# Altium PCB P1.1-worcv.PcbDoc (part 2 of 2) (continued)
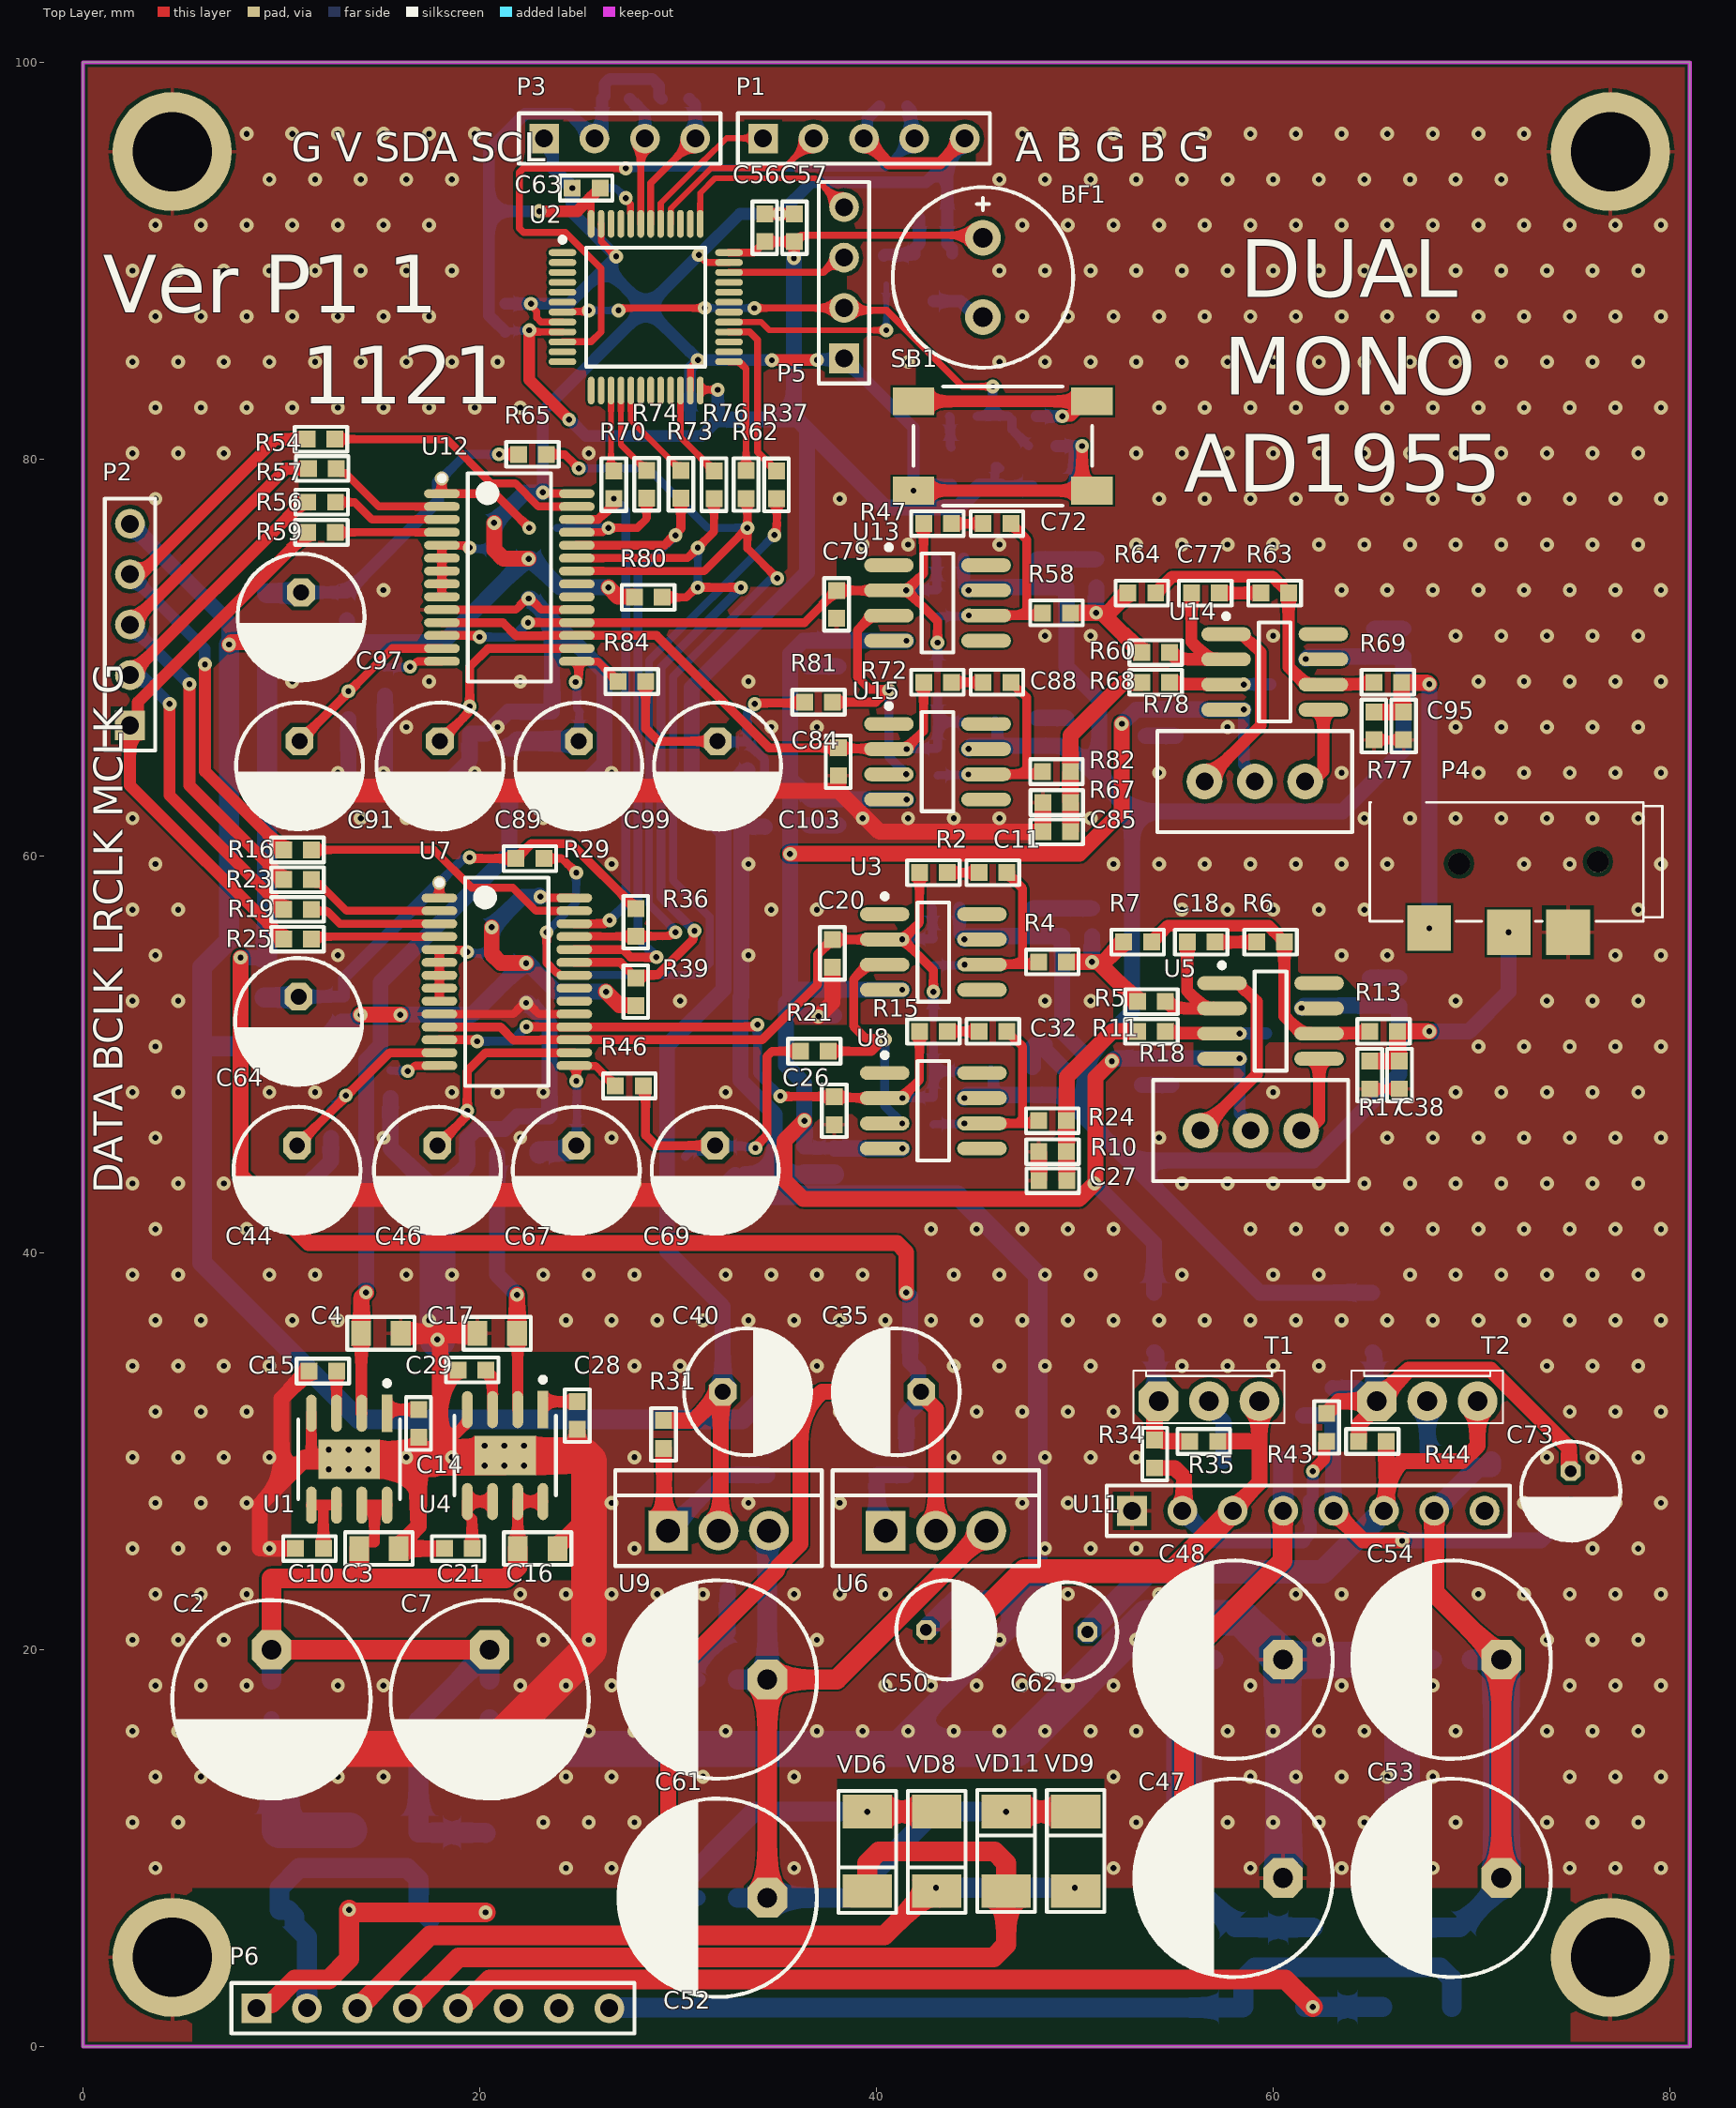
[diagram p0: Top Layer view]
## Nets (pads, with @x,y where several pads share a name; then routed paths per layer and width w, separated by ;. In a path a pad name is that pad's centre, name@x,y a point inside that pad or via, vN(x,y) a via of type N, cw(c..) or ccw(c..) an arc to the next point about the centre after c; other vN are vias at no path point) (continued)
ENC_A: P1.1 U2.41 | length 7.5
  Top Layer w0.3: U2.41@29.119,91.863 29.119,92.892 31.29,95.063 31.324,95.063 32.44,96.178 P1.1@34.274,96.178
ENC_B: P1.2 U2.40 | length 9.4
  Top Layer w0.3: U2.40@29.619,91.863 29.626,91.87 29.626,92.626 31.663,94.663 35.329,94.663 P1.2@36.829,96.163
ENTER: C5.1 P1.4 U2.10 | length 35.5
  Top Layer w0.35: U2.10@24.169,85.913 25.619,85.913 26.125,86.419 26.125,89.616 24.312,91.428 22.205,91.428 22,91.634 22,94.458 22.205,94.663 v1(27.369,94.663)
  Bottom Layer w0.35: v1(27.369,94.663) 40.409,94.663 P1.4@41.909,96.163
  Bottom Layer w0.6: C5.1@41.547,97.785 41.737,97.595 41.737,96.335 P1.4@41.909,96.163
INPHL: C79.1 C82.2 R41.1 R47.1 R48.2 U12.12 U12.18 U13.2 | length 35.1
  Top Layer w0.45: U12.12@18.094,71.113 19.851,71.113 19.926,71.038 v1(19.994,71.038) ; v1(22.434,71.768) 22.439,71.763 36.371,71.763 37.977,73.369 37.977,73.394 C79.1@37.99,73.381 37.993,73.385 40.624,73.385 U13.2@40.628,73.389 ; v1(41.508,73.394) U13.2@41.522,73.394 ; R47.1@42.378,76.754 42.378,74.239 41.533,73.394 U13.2@41.522,73.394 ; v1(43.078,70.754) 43.078,71.839 U13.2@41.522,73.394
  Bottom Layer w0.45: v1(19.994,71.038) 21.704,71.038 v1(22.434,71.768) ; v1(41.508,73.394) 41.538,73.424 43.048,73.424 R41.1@43.078,73.454 43.035,73.497 43.035,74.945 R48.2@42.991,74.989 ; C82.2@43.078,69.454 v1(43.078,70.754)
INPHR: C20.1 C24.2 R1.1 R2.1 R3.2 U3.2 U7.11 U7.17 | length 37.2
  Top Layer w0.45: U7.11@17.969,51.388 21.044,51.388 21.714,50.718 23.071,50.718 23.091,50.738 34.238,50.738 37.031,53.531 37.031,55.041 C20.1@37.781,55.791 37.784,55.794 40.415,55.794 U3.2@40.419,55.798 ; v1(41.299,55.803) U3.2@41.313,55.803 ; R2.1@42.169,59.163 42.169,56.648 41.324,55.803 U3.2@41.313,55.803 ; v1(42.869,53.163) 42.869,54.248 U3.2@41.313,55.803
  Bottom Layer w0.45: v1(41.299,55.803) 41.329,55.833 42.839,55.833 R1.1@42.869,55.863 42.825,55.906 42.825,57.355 R3.2@42.782,57.398 ; C24.2@42.869,51.863 v1(42.869,53.163)
INPLL: C82.1 C84.1 R66.1 R71.2 R72.1 U12.11 U12.17 U15.2 | length 34.6
  Top Layer w0.45: U12.11@18.094,71.763 21.169,71.763 21.839,71.093 23.196,71.093 23.216,71.113 28.919,71.113 34.578,65.454 C84.1@38.078,65.454 38.11,65.421 40.595,65.421 U15.2@40.628,65.389 ; v1(41.517,65.391) 41.517,65.445 42.378,66.306 R72.1@42.378,68.754
  Bottom Layer w0.45: v1(41.517,65.391) 41.548,65.423 43.047,65.423 R66.1@43.078,65.454 43.078,66.754 ; C82.1@43.078,68.054 43.078,66.754 ; R71.2@44.578,66.754 43.078,66.754
INPLR: C24.1 C26.1 R9.1 R14.2 R15.1 U7.12 U7.18 U8.2 | length 35.2
  Top Layer w0.45: U7.12@17.969,50.738 19.726,50.738 19.801,50.663 v1(19.869,50.663) ; v1(22.349,51.393) 22.353,51.388 33.82,51.388 33.932,51.5 v1(34,51.5) ; v1(35.155,47.9) 35.173,47.882 37.85,47.882 37.901,47.83 40.386,47.83 U8.2@40.419,47.798 ; v1(41.308,47.801) 41.308,47.855 42.169,48.715 R15.1@42.169,51.163
  Bottom Layer w0.45: v1(19.869,50.663) 21.619,50.663 v1(22.349,51.393) ; v1(34,51.5) 34,49.055 v1(35.155,47.9) ; v1(41.308,47.801) 41.339,47.832 42.838,47.832 R9.1@42.869,47.863 42.869,49.163 ; C24.1@42.869,50.463 42.869,49.163 ; R14.2@44.369,49.163 42.869,49.163
LRCLK: P2.3 R23.1 R57.1 | length 28.3
  Top Layer w0.6: P2.3@2.369,71.663 10.238,79.532 R57.1@11.362,79.532 ; v1(5.369,68.663) 5.369,63.555 R23.1@10.113,58.811
  Bottom Layer w0.6: P2.3@2.369,71.663 v1(5.369,68.663)
MCLK: P2.4 R16.1 R54.1 | length 28.9
  Top Layer w0.6: P2.4@2.369,74.203 2.541,74.375 3.081,74.375 9.713,81.007 R54.1@11.301,81.007 ; v1(6.15,69.663) 6.15,64.274 R16.1@10.113,60.311
  Bottom Layer w0.6: P2.4@2.369,74.203 6.131,70.441 6.131,69.682 v1(6.15,69.663)
MUTE: R62.2 U2.25 | length 6.1
  Top Layer w0.35: U2.25@32.569,84.913 33.069,84.913 33.429,84.553 R62.2@33.429,79.421
MUTEU: R29.1 R62.1 R65.1 U7.22 U12.22 | length 67.4
  Top Layer w0.4: R29.1@23.232,59.871 24.16,59.871 v1(24.869,59.163) ; R65.1@23.357,80.246 24.285,80.246 v1(24.994,79.538) ; v1(23.369,56.163) 23.369,54.62 23.876,54.113 23.955,54.113 24.08,53.988 U7.22@24.769,53.988 ; U12.22@24.894,74.363 31.319,74.363 v1(33.494,76.538) ; R62.1@33.429,78.021 33.494,77.956 v1(33.494,76.538) ; v1(35,74) 33.494,75.506 v1(33.494,76.538)
  Bottom Layer w0.4: v1(24.869,59.163) 24.869,57.663 v1(23.369,56.163) 23.369,54.631 24,54 31,54 31.592,54.592 31.592,56.94 29.755,58.777 29.755,69.049 32.509,71.803 34.649,73.943 34.943,73.943 v1(35,74) ; v1(24.994,79.538) 28.494,79.538 31.494,76.538 v1(33.494,76.538)
NetBF1_2: BF1.2 VT1.3 | length 2.8
  Bottom Layer w0.6: VT1.3@42.869,87.963 44.244,87.963 45.044,87.163 BF1.2@45.369,87.163
NetC10_1: C10.1 U1.5 U1.6 | length 3.5
  Top Layer w0.55: U1.5@11.513,27.285 12.148,27.285 ; C10.1@12.118,25.102 12.118,27.255 12.148,27.285 ; U1.6@12.783,27.285 12.148,27.285
NetC11_1: C11.1 R1.2 R4.1 U3.6 | length 9.6
  Top Layer w0.45: U3.6@45.319,54.528 45.329,54.538 47.105,54.538 ; C11.1@46.569,59.163 47.369,58.363 47.369,54.801 47.105,54.538 ; R4.1@48.169,54.663 48.044,54.538 47.105,54.538
  Bottom Layer w0.4: R1.2@42.869,54.463 42.904,54.498 44.411,54.498 v1(44.446,54.533)
NetC11_2: C11.2 R2.2 | length 1.6
  Top Layer w0.45: R2.2@43.569,59.163 C11.2@45.169,59.163
NetC14_1: C14.1 U1.1 | length 1.8
  Top Layer w0.55: U1.1@15.323,31.918 15.323,32.098 15.327,32.102 C14.1@16.918,32.102
NetC15_1: C15.1 U1.3 | length 2
  Top Layer w0.55: U1.3@12.783,31.918 C15.1@12.783,33.937
NetC18_1: C18.1 R5.1 U5.2 | length 6.7
  Top Layer w0.6: R5.1@54.569,52.663 54.909,52.323 U5.2@56.545,52.323 ; C18.1@55.669,55.663 55.669,53.199 U5.2@56.545,52.323 ; U5.2@57.418,52.323 U5.2@56.545,52.323
NetC18_2: C18.2 R6.2 | length 2.1
  Top Layer w0.6: C18.2@57.069,55.663 R6.2@59.169,55.663
NetC19_1: C19.1 R4.2 R5.2 R7.1 | length 7.4
  Top Layer w0.8: R4.2@49.569,54.663 v1(50.869,54.663) v1@51.169,54.663 ; R7.1@52.469,55.663 51.469,54.663 v1@51.169,54.663 ; R5.2@53.169,52.663 v1@51.169,54.663
  Bottom Layer w0.8: v1(50.869,54.663) C19.1@50.869,55.963
NetC21_1: C21.1 U4.5 U4.6 | length 3.7
  Top Layer w0.55: C21.1@19.618,25.102 19.618,26.571 19.378,26.811 U4.5@19.378,27.469 U4.6@20.648,27.469
NetC25_2: C25.2 R11.2 U5.3 | length 4.2
  Top Layer w0.6: R11.2@54.569,51.163 54.66,51.072 57.399,51.072 U5.3@57.418,51.053
  Bottom Layer w0.6: v1(58.308,51.054) 58.315,51.061 59.639,51.061 C25.2@59.645,51.068
NetC27_2: C27.2 R10.1 R11.1 R24.2 | length 9.8
  Top Layer w0.8: C27.2@49.591,43.637 49.586,43.642 49.586,45.095 49.575,45.106 49.575,46.657 R24.2@49.569,46.663 49.594,46.688 49.594,48.875 51.881,51.163 R11.1@53.169,51.163
NetC28_1: C28.1 U4.1 | length 2.1
  Top Layer w0.55: U4.1@23.188,32.102 23.188,32.498 23.192,32.502 C28.1@24.918,32.502
NetC29_1: C29.1 U4.3 | length 2.1
  Top Layer w0.55: C29.1@20.318,34.102 20.648,33.772 U4.3@20.648,32.102
NetC32_1: C32.1 R9.2 R24.1 U8.6 | length 9.6
  Top Layer w0.45: U8.6@45.319,46.528 47.105,46.528 ; C32.1@46.569,51.163 47.069,50.663 47.105,50.663 47.369,50.399 47.369,46.791 47.105,46.528 ; R24.1@48.169,46.663 48.034,46.528 47.105,46.528
  Bottom Layer w0.4: R9.2@42.869,46.463 42.9,46.494 44.394,46.494 v1(44.425,46.525)
NetC32_2: C32.2 R15.2 | length 1.6
  Top Layer w0.45: R15.2@43.569,51.163 C32.2@45.169,51.163
NetC34_2: C34.2 C39.2 C51.1 C52.1 C60.1 C61.1 U6.3 U9.3 VD9.2 VD11.2 | length 53.4
  Top Layer w1: C52.1@34.524,7.5 C52.1@34.5,7.5 C61.1@34.5,18.5 38,18.5 U6.3@45.5,26 ; VD11.2@46.138,11.838 v1(46.538,11.838) VD9.2@50.038,11.838
  Bottom Layer w1: C34.2@33,7.5 C52.1@34.5,7.5 38.6,7.5 42.938,11.838 v1(46.538,11.838) ; C39.2@33,18.5 C61.1@34.5,18.5 34.5,20.875 C60.1@34.5,21 34.5,22.875 C51.1@34.5,23 34.5,25.92 U9.3@34.58,26
NetC43_1: C43.1 C44.1 U7.13 | length 10.2
  Top Layer w0.45: C44.1@10.793,45.416 15.465,50.088 U7.13@17.969,50.088
  Bottom Layer w0.45: C43.1@12.5,47.2 13.234,47.934 v1(13.255,47.934)
NetC45_1: C45.1 C46.1 U7.16 | length 10.2
  Top Layer w0.45: C46.1@17.869,45.413 19.321,46.865 19.321,47.115 v1(19.369,47.163) 19.369,49.163 20.294,50.088 U7.16@24.769,50.088
NetC50_2: C50.2 R35.2 T1.3 U11.3 | length 24.3
  Top Layer w0.8: R35.2@57.2,30.5 59.272,30.5 59.304,30.468 ; U11.3@57.96,27 57.96,27.069 59.304,28.413 59.304,30.468 ; T1.3@59.304,32.522 59.304,30.468
  Top Layer w1.2: C50.2@44.5,21 47.452,23.952 54.912,23.952 U11.3@57.96,27
  Bottom Layer w1: U11.3@57.864,27.096 U11.3@57.96,27
NetC62_1: C62.1 R44.1 T2.3 U11.6 | length 28.7
  Top Layer w0.8: U11.6@65.58,27 65.714,27.134 65.714,28.714 ; R44.1@65.7,30.5 65.7,28.728 65.714,28.714 ; T2.3@70.315,32.511 T2.3@70.304,32.522 70.304,30.273 69.531,29.5 66.5,29.5 65.714,28.714
  Bottom Layer w1.2: C62.1@50.636,20.9 53.661,23.925 62.505,23.925 U11.6@65.58,27 U11.6@65.714,27.134
NetC66_1: C66.1 C67.1 L2.1 R46.1 U7.15 | length 8.7
  Top Layer w0.4: U7.15@24.769,49.438 24.778,49.428 U7.15@24.855,49.428 ; v1(24.869,48.663) 24.869,49.415 U7.15@24.855,49.428 ; R46.1@26.842,48.419 25.832,49.428 U7.15@24.855,49.428
  Bottom Layer w0.4: C67.1@24.869,45.413 24.895,45.439 24.895,46.875 C66.1@24.922,46.902 24.895,46.929 24.895,48.636 v1(24.869,48.663)
  Bottom Layer w1: L2.1@23,45 23,45.125 24.524,45.125 24.812,45.413 C67.1@24.869,45.413
NetC72_1: C72.1 R41.2 R58.1 U13.6 | length 9.6
  Top Layer w0.45: U13.6@45.528,72.119 45.538,72.129 47.314,72.129 ; C72.1@46.778,76.754 47.578,75.954 47.578,72.392 47.314,72.129 ; R58.1@48.378,72.254 48.253,72.129 47.314,72.129
  Bottom Layer w0.4: R41.2@43.078,72.054 43.113,72.089 44.62,72.089 v1(44.655,72.124)
NetC72_2: C72.2 R47.2 | length 1.6
  Top Layer w0.45: R47.2@43.778,76.754 C72.2@45.378,76.754
NetC73_1: C73.1 R43.2 R44.2 R45.2 R49.2 T2.1 | length 23.5
  Top Layer w0.8: R43.2@62.691,31.908 63.306,32.522 T2.1@65.224,32.522 ; R44.2@64.3,30.5 64.325,30.525 64.325,31.357 65.224,32.257 T2.1@65.224,32.522 ; C73.1@75,29 74.916,29.084 74.916,30.174 70.967,34.122 66.824,34.122 T2.1@65.224,32.522
  Bottom Layer w0.8: R45.2@63,33.2 63.025,33.175 64.306,33.175 64.959,32.522 T2.1@65.224,32.522 65.112,32.635 65.112,34.9 65.012,35 R49.2@65,35
NetC73_2: C73.2 R40.2 R45.1 U11.5 | length 19.6
  Top Layer w0.8: U11.5@63.04,27 64.54,25.5 v1(66.5,25.5)
  Bottom Layer w0.8: R40.2@61.5,31.8 R45.1@63,31.8 63.02,31.78 63.02,27.02 U11.5@63.04,27 U11.5@63.098,27 ; v1(66.5,25.5) 73.5,25.5 C73.2@75,27
NetC77_1: C77.1 R60.1 U14.2 | length 6.7
  Top Layer w0.6: R60.1@54.778,70.254 55.118,69.914 U14.2@56.754,69.914 ; C77.1@55.878,73.254 55.878,70.79 U14.2@56.754,69.914 ; U14.2@57.627,69.914 U14.2@56.754,69.914
NetC77_2: C77.2 R63.2 | length 2.1
  Top Layer w0.6: C77.2@57.278,73.254 R63.2@59.378,73.254
NetC78_1: C78.1 R58.2 R60.2 R64.1 | length 7.4
  Top Layer w0.8: R58.2@49.778,72.254 v1(51.078,72.254) v1@51.378,72.254 ; R64.1@52.678,73.254 51.678,72.254 v1@51.378,72.254 ; R60.2@53.378,70.254 v1@51.378,72.254
  Bottom Layer w0.8: v1(51.078,72.254) C78.1@51.078,73.554
NetC83_2: C83.2 R68.2 U14.3 | length 4.2
  Top Layer w0.6: R68.2@54.778,68.754 54.869,68.663 57.608,68.663 U14.3@57.627,68.644
  Bottom Layer w0.6: v1(58.517,68.645) 58.524,68.652 59.848,68.652 C83.2@59.854,68.659
NetC85_2: C85.2 R67.1 R68.1 R82.2 | length 9.6
  Top Layer w0.8: C85.2@49.79,61.22 R67.1@49.79,62.691 ; R67.1@49.79,62.691 49.784,62.697 49.784,64.248 R82.2@49.778,64.254 49.778,66.072 52.435,68.729 53.353,68.729 R68.1@53.378,68.754
NetC88_1: C88.1 R66.2 R82.1 U15.6 | length 9.6
  Top Layer w0.45: U15.6@45.528,64.119 47.314,64.119 ; C88.1@46.778,68.754 47.278,68.254 47.314,68.254 47.578,67.99 47.578,64.382 47.314,64.119 ; R82.1@48.378,64.254 48.243,64.119 47.314,64.119
  Bottom Layer w0.4: R66.2@43.078,64.054 43.109,64.085 44.603,64.085 v1(44.634,64.116)
NetC88_2: C88.2 R72.2 | length 1.6
  Top Layer w0.45: R72.2@43.778,68.754 C88.2@45.378,68.754
NetC89_1: C89.1 C92.1 U12.16 | length 10.2
  Top Layer w0.45: C89.1@17.994,65.788 19.446,67.24 19.446,67.49 v1(19.494,67.538) 19.494,69.538 20.419,70.463 U12.16@24.894,70.463
NetC90_1: C90.1 C91.1 U12.13 | length 9.1
  Top Layer w0.45: C91.1@10.918,65.791 15.59,70.463 U12.13@18.094,70.463
  other v1: 13.38,68.309
NetC98_1: C98.1 C99.1 L5.1 R84.1 U12.15 | length 10.3
  Top Layer w0.4: v1(24.839,68.771) 24.839,68.813 24.994,68.967 24.994,69.79 24.917,69.79 U12.15@24.894,69.813 ; U12.15@24.98,69.803 25.957,69.803 R84.1@26.967,68.794
  Bottom Layer w0.4: v1(24.839,68.771) 24.897,68.713 24.897,67.427 C98.1@25.047,67.277 25.02,67.25 25.02,65.814 C99.1@24.994,65.788
  Bottom Layer w1: L5.1@21.5,65.5 21.625,65.5 21.913,65.788 C99.1@24.994,65.788
NetIC1_2: IC1.2 R53.2 | length 1.6
  Bottom Layer w0.45: R53.2@43.669,82.163 43.719,82.113 43.719,80.663 IC1.2@43.769,80.613
NetP5_2: P5.2 R52.1 R53.1 R55.2 U2.7 | length 28
  Top Layer w0.35: U2.7@24.694,87.438 25.438,87.438 v1(25.5,87.5) ; v1(27,87.5) 27.095,87.5 27.215,87.621 v1(31.345,87.621) ; v1(33.85,87.612) 33.855,87.618 38.364,87.618 P5.2@38.369,87.623 38.492,87.5 40.5,87.5 44.337,83.663 v1(45.869,83.663) v1@45.869,83.757
  Bottom Layer w0.35: v1(25.5,87.5) v1(27,87.5) ; v1(31.345,87.621) 31.349,87.617 33.846,87.617 v1(33.85,87.612)
  Bottom Layer w0.45: R53.1@45.069,82.163 45.869,82.163 ; v1(45.869,83.663) 45.869,82.163 ; R55.2@47.669,80.663 46.832,81.499 46.832,81.999 R52.1@46.669,82.163 45.869,82.163
NetR6_1: R6.1 R7.2 R13.1 U5.6 | length 15.8
  Top Layer w0.6: R7.2@53.869,55.663 54.694,56.488 59.759,56.488 60.02,56.228 60.02,56.212 R6.1@60.569,55.663 60.569,51.929 61.445,51.053 U5.6@62.318,51.053 62.337,51.072 64.778,51.072 R13.1@64.869,51.163
NetR16_2: R16.2 U7.27 | length 14.5
  Top Layer w0.4: R16.2@11.513,60.311 17.689,60.311 19.587,58.413 21.664,58.413 22.839,57.238 U7.27@24.769,57.238
NetR18_1: R18.1 U5.1 | length 9.8
  Top Layer w0.6: R18.1@56.329,46.163 59.168,49.002 59.168,52.675 58.67,53.173 58.638,53.173 58.218,53.593 U5.1@57.418,53.593
NetR18_3: R18.3 U5.5 | length 4.1
  Top Layer w0.6: R18.3@61.79,45.951 61.79,46.172 62.318,46.699 U5.5@62.318,49.783
NetR19_2: R19.2 U7.3 | length 6.8
  Top Layer w0.4: R19.2@11.513,57.311 11.596,57.228 12.304,57.228 12.944,56.588 U7.3@17.969,56.588
NetR20_1: R20.1 R22.1 U6.1 | length 4.5
  Bottom Layer w0.8: U6.1@40.46,26 40.025,26.435 40.025,28.775 R22.1@40,28.8 R20.1@41.5,28.8
NetR21_2: R21.2 U3.3 U8.3 | length 13.8
  Top Layer w0.45: R21.2@37.569,50.163 39.756,50.163 40.356,50.762 v1(40.423,50.762) 40.375,50.81 39.46,50.81 38.844,51.426 38.844,53.785 39.586,54.528 U3.3@40.419,54.528
  Bottom Layer w0.45: v1(40.423,50.762) 40.423,47.403 v1(41.298,46.529)
NetR23_2: R23.2 U7.2 | length 7.1
  Top Layer w0.4: R23.2@11.513,58.811 11.738,58.586 11.946,58.586 13.294,57.238 U7.2@17.969,57.238
NetR25_2: R25.2 U7.4 | length 6.5
  Top Layer w0.4: R25.2@11.513,55.811 11.64,55.938 U7.4@17.969,55.938
NetR26_2: R26.2 R28.1 VT1.1 | length 3.5
  Bottom Layer w0.6: R26.2@40.369,90.263 40.419,90.313 41.919,90.313 VT1.1@41.919,90.363 41.919,90.613 42.169,90.863 R28.1@42.169,92.163
NetR27_2: R27.2 U7.5 U7.6 U7.7 U7.8 U7.9 | length 6
  Top Layer w0.4: U7.9@17.969,52.688 17.978,52.678 U7.9@18.001,52.678 ; U7.9@18.634,52.678 U7.9@18.001,52.678 ; v1(19.369,55.163) 19.288,55.163 19.172,55.278 17.978,55.278 U7.5@17.969,55.288 U7.6@17.969,54.638 U7.7@17.969,53.988 U7.8@17.969,53.338 17.969,52.711 U7.9@18.001,52.678
  Bottom Layer w0.4: v1(19.369,55.163) 19.426,55.105 20.51,55.105 R27.2@20.602,55.013
NetR30_2: R30.2 R34.1 R35.1 T1.1 | length 6.2
  Top Layer w0.8: T1.1@54.224,32.522 54,32.298 54,30.969 54.469,30.5 R35.1@55.8,30.5
  Bottom Layer w0.8: R30.2@54,35 54.012,35 54.112,34.9 54.112,32.635 T1.1@54.224,32.522
NetR31_1: R31.1 R32.1 U9.1 | length 10.4
  Top Layer w0.8: R31.1@29.271,30.153 29.296,30.128 29.296,26.204 U9.1@29.5,26
  Bottom Layer w0.8: U9.1@29.5,26 32.3,28.8 R32.1@34.5,28.8
NetR33_1: R33.1 T1.2 | length 3.3
  Bottom Layer w0.8: T1.2@56.764,32.522 56.764,32.235 57.5,31.499 R33.1@57.5,29.5
NetR34_2: R34.2 R43.1 U11.2 | length 15.7
  Top Layer w0.6: v1(62,29) 62,29.027 62.566,29.593 62.566,30.383 R43.1@62.691,30.508
  Top Layer w0.8: R34.2@54.027,29.162 55.031,29.162 55.5,28.693 55.5,27.08 U11.2@55.42,27
  Bottom Layer w0.6: 61.5,25.5 61.888,25.888 61.888,26.385 61.79,26.482 61.79,27.518 62,27.728 v1(62,29)
  Bottom Layer w0.8: U11.2@55.42,27 56.92,25.5 61.5,25.5
NetR36_2: R36.2 R37.2 U7.25 | length 30.3
  Top Layer w0.4: U7.25@24.769,55.938 24.778,55.947 27.853,55.947 R36.2@27.869,55.963 29.588,55.963 29.788,56.163 v1(29.869,56.163) ; v1(34.858,76.174) 34.858,76.255 34.978,76.376 34.978,77.987 R37.2@34.961,78.005
  Bottom Layer w0.4: v1(29.869,56.163) 29.869,56.244 28.535,57.578 28.535,69.851 v1(34.858,76.174)
NetR38_1: R38.1 U7.14 | length 2.6
  Top Layer w0.4: v1(16.369,49.163) 16.45,49.163 16.715,49.428 17.959,49.428 U7.14@17.969,49.438
  Bottom Layer w0.4: R38.1@15.5,49.2 15.519,49.181 16.35,49.181 v1(16.369,49.163)
NetR50_1: R50.1 T2.2 | length 3.1
  Bottom Layer w0.8: T2.2@67.764,32.522 67.764,30.036 68,29.8 R50.1@68,29.5
NetR51_1: R51.1 U2.44 | length 2.4
  Top Layer w0.35: v1(27.369,93.163) 27.369,93.068 27.594,92.843 U2.44@27.594,92.388
  Bottom Layer w0.35: R51.1@26.069,93.663 26.869,93.663 v1(27.369,93.163)
NetR52_2: R52.2 SB1.1 | length 11.8
  Top Layer w0.6: SB1.1@41.869,82.913 SB1.1@50.519,82.913 ; v1(49.369,82.163) 49.388,82.182 49.788,82.182 SB1.1@50.519,82.913 ; SB1.1@50.869,82.913 SB1.1@50.519,82.913
  Bottom Layer w0.6: R52.2@48.069,82.163 v1(49.369,82.163)
NetR54_2: R54.2 U12.27 | length 13.6
  Top Layer w0.4: R54.2@12.701,81.007 18.339,81.007 20.558,78.788 21.789,78.788 22.964,77.613 U12.27@24.894,77.613
NetR56_2: R56.2 U12.3 | length 5.7
  Top Layer w0.4: R56.2@12.732,77.836 13.695,77.836 14.569,76.963 U12.3@18.094,76.963
NetR57_2: R57.2 U12.2 | length 6.1
  Top Layer w0.4: R57.2@12.762,79.532 12.987,79.307 13.225,79.307 14.919,77.613 U12.2@18.094,77.613
NetR59_2: R59.2 U12.4 | length 5.4
  Top Layer w0.4: R59.2@12.718,76.313 14.864,76.313 U12.4@18.094,76.313
NetR61_2: R61.2 U12.5 U12.6 U12.7 U12.8 U12.9 | length 6
  Top Layer w0.4: U12.9@18.094,73.063 18.103,73.053 U12.9@18.126,73.053 ; U12.9@18.759,73.053 U12.9@18.126,73.053 ; v1(19.494,75.538) 19.413,75.538 19.297,75.653 18.103,75.653 U12.5@18.094,75.663 U12.6@18.094,75.013 U12.7@18.094,74.363 U12.8@18.094,73.713 18.094,73.086 U12.9@18.126,73.053
  Bottom Layer w0.4: v1(19.494,75.538) 19.551,75.48 20.635,75.48 R61.2@20.727,75.388
NetR63_1: R63.1 R64.2 R69.1 U14.6 | length 15.8
  Top Layer w0.6: R64.2@54.078,73.254 54.903,74.079 59.969,74.079 60.229,73.819 60.229,73.803 R63.1@60.778,73.254 60.778,69.52 61.654,68.644 U14.6@62.527,68.644 62.546,68.663 64.987,68.663 R69.1@65.078,68.754
NetR74_2: R74.2 R75.2 U12.25 | length 7.4
  Top Layer w0.4: U12.25@24.894,76.313 24.903,76.322 26.197,76.322 26.413,76.538 v1(26.494,76.538) 27.949,76.538 28.416,77.005 R74.2@28.416,78.037
  Bottom Layer w0.4: R75.2@23.894,76.538 v1(26.494,76.538)
NetR78_1: R78.1 U14.1 | length 9.8
  Top Layer w0.6: R78.1@56.538,63.754 59.377,66.593 59.377,70.266 58.879,70.764 58.847,70.764 58.427,71.184 U14.1@57.627,71.184
NetR78_3: R78.3 U14.5 | length 4.1
  Top Layer w0.6: R78.3@61.999,63.542 61.999,63.763 62.527,64.29 U14.5@62.527,67.374
NetR79_1: R79.1 U12.14 | length 3
  Top Layer w0.4: v1(16.494,69.538) 16.575,69.538 16.84,69.803 18.084,69.803 U12.14@18.094,69.813
  Bottom Layer w0.4: R79.1@15.222,69.494 15.244,69.516 16.472,69.516 v1(16.494,69.538)
NetR81_2: R81.2 U13.3 U15.3 | length 13.8
  Top Layer w0.45: R81.2@37.778,67.754 39.965,67.754 40.565,68.353 v1(40.632,68.353) 40.585,68.401 39.669,68.401 39.053,69.017 39.053,71.376 39.796,72.119 U13.3@40.628,72.119
  Bottom Layer w0.45: v1(40.632,68.353) 40.632,64.994 v1(41.507,64.119)
OUTL: C95.2 P4.2 R69.2 R77.2 | length 16.8
  Top Layer w0.8: R77.2@65.078,67.254 C95.2@66.578,67.254 66.478,67.354 R69.2@66.478,68.754 66.503,68.729 67.803,68.729 v1(67.869,68.663)
  Bottom Layer w0.8: v1(67.869,56.363) v1(67.869,68.663)
OUTR: C38.2 P4.3 R13.2 R17.2 | length 12.5
  Top Layer w0.8: R17.2@64.869,49.663 C38.2@66.369,49.663 66.269,49.763 R13.2@66.269,51.163 v1(67.869,51.163)
  Bottom Layer w0.8: v1(67.869,51.163) 69.869,51.163 71.869,53.163 v1(71.869,56.163)
RSTD: R76.1 U2.22 | length 4.7
  Top Layer w0.35: U2.22@30.119,83.463 30.119,81.108 R76.1@31.81,79.417
RSTDU: R39.2 R76.2 R80.2 U7.23 U12.23 | length 42.6
  Top Layer w0.4: U12.23@24.894,75.013 30.474,75.013 31.81,76.349 R76.2@31.81,78.017 ; R80.2@29.194,73.038 30.413,73.038 30.913,73.538 v1(30.994,73.538)
  Top Layer w0.45: U7.23@24.769,54.638 27.094,54.638 R39.2@27.869,53.863 28.015,54.009 28.969,54.009 30.778,55.818 30.778,56.187 v1(30.826,56.235) ; v1@30.995,73.537 v1(33.165,73.536)
  Bottom Layer w0.4: v1(30.994,73.538) v1(30.994,75.538)
  Bottom Layer w0.45: v1(30.826,56.235) 29.131,57.93 29.131,69.493 33.165,73.527 v1(33.165,73.536)
SCL: P3.4 R8.1 U2.42 | length 7.4
  Top Layer w0.35: U2.42@28.619,91.863 28.619,93.913 P3.4@30.869,96.163
  Bottom Layer w0.6: R8.1@30.569,98.163 30.869,97.863 P3.4@30.869,96.163
SDA: P3.3 R12.1 U2.43 | length 6.7
  Top Layer w0.35: U2.43@28.119,91.863 28.119,95.953 P3.3@28.329,96.163
  Bottom Layer w0.6: R12.1@27.569,98.163 28.329,97.403 P3.3@28.329,96.163
SDATA: P2.1 R25.1 R59.1 | length 27.4
  Top Layer w0.6: R25.1@10.113,55.811 2.369,63.555 P2.1@2.369,66.583 2.769,66.983 2.769,67.755 3.619,68.605 3.619,68.613 R59.1@11.318,76.313
SSCL: R70.1 U2.15 | length 4.1
  Top Layer w0.3: U2.15@26.619,83.463 26.619,79.558 R70.1@26.76,79.417
SSCL1: R70.2 U7.26 U12.26 | length 25.9
  Top Layer w0.45: U7.26@24.769,56.588 26.307,56.588 26.483,56.764 v1(26.551,56.764) ; U12.26@24.894,76.963 25.964,76.963 26.214,77.213 26.248,77.213 R70.2@26.752,77.717
  Bottom Layer w0.45: v1(26.551,56.764) 27.369,57.582 27.369,77.408 v1(26.76,78.017)
SSDA: R73.1 U2.17 | length 5.1
  Top Layer w0.3: U2.17@27.619,83.463 27.619,81.961 R73.1@30.142,79.437
SSDA1: R73.2 U7.24 U12.24 | length 33.9
  Top Layer w0.45: U7.24@24.769,55.288 27.222,55.288 27.606,54.903 v1(28.908,54.903) ; U12.24@24.894,75.663 29.301,75.663 29.801,76.163 v1(29.869,76.163) 29.869,76.23 30.142,76.504 R73.2@30.142,78.037
  Bottom Layer w0.45: v1(28.908,54.903) 27.987,55.824 27.987,74.281 v1(29.869,76.163)
SSL: R74.1 U2.16 | length 4.6
  Top Layer w0.3: U2.16@27.119,83.463 27.119,80.735 R74.1@28.416,79.437
SSR: R37.1 U2.28 | length 8.6
  Top Layer w0.35: U2.28@32.569,86.413 33.604,86.413 34,86.017 34,80.366 R37.1@34.961,79.405
SWCLK: P5.4 U2.37 | length 9.7
  Top Layer w0.3: U2.37@31.119,91.863 31.119,93.413 31.869,94.163 36.909,94.163 P5.4@38.369,92.703
SWDIO: P5.3 U2.34 | length 6.1
  Top Layer w0.35: U2.34@32.569,89.413 37.316,89.413 38.066,90.163 P5.3@38.369,90.163
VBIASL: C102.1 C103.1 R81.1 R83.2 R84.2 | length 16
  Top Layer w0.45: R84.2@28.367,68.794 28.367,66.428 29.007,65.788 C103.1@31.994,65.788 ; v1(33.869,67.663) 33.914,67.708 36.332,67.708 R81.1@36.378,67.754
  Bottom Layer w0.45: C103.1@31.737,65.531 C103.1@31.994,65.788 32.019,65.763 33.469,65.763 C102.1@33.494,65.738 ; v1(33.869,67.663) 33.869,67.595 33.494,67.22 C102.1@33.494,65.738 ; R83.2@34.369,62.863 34.369,64.863 C102.1@33.494,65.738
VBIASR: C68.1 C69.1 R21.1 R42.2 R46.2 | length 16.7
  Top Layer w0.45: R46.2@28.242,48.419 28.369,48.292 28.369,45.926 28.882,45.413 C69.1@31.869,45.413 ; v1(33.899,45.285) 33.899,45.352 34.48,45.933 34.48,49.899 34.743,50.163 R21.1@36.169,50.163
  Bottom Layer w0.45: R42.2@30.369,44.863 30.662,45.156 31.612,45.156 C69.1@31.869,45.413 31.894,45.388 33.344,45.388 33.408,45.324 33.86,45.324 v1(33.899,45.285)
pads on no net: P4. R18. R78. U2. U2.1 U2.2 U2.3 U2.4 U2.5 U2.6 U2.11 U2.12 U2.13 U2.14 U2.18 U2.19 U2.20 U2.21 U2.26 U2.27 U2.30 U2.31 U2.32 U2.33 U2.38 U2.39 U2.45 U2.46 U3.1 U3.5 U3.8 U5.8 U7.20 U7.21 U8.1 U8.5 U8.8 U11.8 U12.20 U12.21 U13.1 U13.5 U13.8 U14.8 U15.1 U15.5 U15.8 VD1. VD2. VD3. VD4. VD5. VD6. VD7. VD8. VD9. VD10. VD11. VD12. VT1.

## Polygon pours and split planes (outlines as drawn)
AGNDD on Top Layer "AGNDD_L01_P000" (solid, remove dead copper, pour order 0): 0,0 0,100 81,100 81,69.2 81,0
AGNDD on Bottom Layer "AGNDD_L02_P001" (solid, remove dead copper, pour order 1): 0,0 0,100 81,100 81,69.2 81,0

## Keep-outs
Keep-Out Layer:
  the board outline again, w0.2

## Other copper
Top Layer:
  pour cut-out: 30.321,84.42 30.241,84.5 25,84.5 25,88.5 32,88.5
  pour cut-out: 31,85.459 33.459,85.459 33.5,85.5 33.5,80 30,80
  pour cut-out: 8,8 5.5,8 5.5,0 8,0
  pour cut-out: 51.5,8 51.5,13.5 38,13.5 38,8
  pour cut-out: 8,0 8,8 75,8 75,0
  pour cut-out: 10.5,35 25.5,35 25.5,23.5 10.5,23.5
  pour cut-out: 39.728,75.117 39.61,75 38,75 38,73.5 38.5,73 38.952,73.452 42.102,73.452 42.102,74.398 41.5,75
  pour cut-out: 22.5,96.5 23,97 44.877,97 45.344,96.533 45,96.19 45,95 22.238,95 22.194,94.956
  pour cut-out: 42,83.5 42,85.5 44,83.5 43,82.5 42,82.5 41.5,83
  pour cut-out: 38.5,88 38.5,89.5 33.5,89.5 32.569,88.569 32.569,87.413 36.087,87.413 37,86.5
  pour cut-out: 39.072,46.589 39.072,47.072 39.5,47.5 39.527,47.473 41.643,47.473 41.643,46.852
  pour cut-out: 41.644,51.688 41.456,51.5 35,51.5 35,46.439 35.584,47.023 39.023,47.023 40.5,48.5 42,48.5
  pour cut-out: 56,51 56,49.5 58.5,49.5 58.5,51 59,51.5
  pour cut-out: 62,54 63.46,54 64.344,53.116 64.344,51.678 63.719,51.053 61.882,51.053
  pour cut-out: 54.991,50.633 52.122,50.633 51.944,50.811 51.944,56.188 59.98,56.188 60.02,56.228 61.243,55.005 61.243,50.629
  pour cut-out: 25.893,77.959 25.893,79.893 26,80 26.07,79.93 35.486,79.93 35.486,74.486 35.324,74.324 35.149,74.5 26,74.5
  pour cut-out: 25.5,72 25.5,74.5 32,74.5 33.5,76 34.824,74.676 34.824,73.576 33.664,73.576 32.088,72 32,72
  pour cut-out: 19,71.5 24,71.5 24,78.5 19.5,78.5 19,78
  pour cut-out: 13.243,75.89 10.61,75.89 10.5,76 10.879,76.379 10.879,81.537 13.221,81.537 13.325,81.433 13.325,75.96
  pour cut-out: 6.558,69.463 7.373,70.278 7.693,70.278 7.693,70.307 6.5,71.5 6,71 5,71
  pour cut-out: 28.394,56.488 28,56.882 28,57.5 27.5,57.5 25,60 24.665,59.665 18.794,59.665 18.794,58.206 19.5,57.5
  pour cut-out: 12.038,55.286 9.751,55.286 9.5,55.537 9.5,61 11.874,61 12.038,60.836
  pour cut-out: 28.394,52.988 28.5,53.094 28.5,54.5 25.281,54.5 24.5,53.719 24.5,52.5
  pour cut-out: 21.425,30.985 21.015,30.985 20.843,31.156 20.843,34.627 21.627,34.627 22,35
  pour cut-out: 13.277,30.802 13.578,30.5 16.5,30.5 16.5,32.37 16.336,32.534 16.302,32.5 14,32.5 14,35 12.343,35 12,34.657 12,31
  pour cut-out: 24.5,32 24.497,32.003 24.497,33.032 22.032,33.032 22,33 22,31 24.292,31 24.293,31.002
  pour cut-out: 18.995,24.213 21.213,24.213 21.5,24.5 21.425,24.575 21.425,28.585 20.085,28.585 20,28.5
  pour cut-out: 11.5,25 11.5,24 14.5,24 14.5,28 14,28.5 13.5,28 12,28
  pour cut-out: 65.5,30 62.5,30 62.5,32.5 66.5,32.5
  pour cut-out: 53.5,32 53.5,28.639 53.502,28.637 53.559,28.693 55.5,28.693 55.5,27 56,26.5 57.913,28.413 59.304,28.413 59.304,31.696 59,32
  pour cut-out: 18.542,1.035 18.507,1 8,1 8,3 8.5,2.5 19,2.5
Bottom Layer:
  pour cut-out: 42.313,94.361 42.5,94.547 42.5,98 28,98 27,97 27,94
  pour cut-out: 73.133,0.255 73.387,0 76,0 76,8 53,8 53,0
  pour cut-out: 5.5,0 5.5,12.5 22.5,12.5 22.5,0
  pour cut-out: 73,7 7.5,7 7.5,0.5 73,0.5
  pour cut-out: 57,24 56.981,24.019 56.981,26.215 63.785,26.215 64,26 63,25 63,24
  pour cut-out: 21.5,11.5 9.018,11.5 8.759,11.759 8.568,11.568 8.568,5.945 21.445,5.945 21.5,6
  pour cut-out: 16,10 16.191,10.191 16.191,12.05 9.05,12.05 8.468,11.468 8.468,9.845 10.155,9.845 10.5,9.5 10.845,9.845 15.568,9.845

## Silkscreen, mask and mechanical layers (free items; w line width, h text height)
Top Overlay:
  text "G V SDA SCL" at 10.5,94.5 h2.5
  text "A B G B G" at 47.002,94.5 h2.5
  text "DUAL" at 58.335,87.197 h5
  text "Ver P1 1" at 1.005,86.408 h5
  text "MONO" at 57.5,82.282 h5
  text "1121" at 11.005,81.838 h5
  text "AD1955" at 55.5,77.398 h5
  text "DATA BCLK LRCLK MCLK G" at 2.5,43 h2.5 r90
Bottom Overlay:
  text "TWOLFE239" at 69.493,40.507 h8 r270
  text "ADHF21BL" at 1.398,13.5 h5 r270